# Altium PCB Adapter_USB3_to_M2_E.PcbDoc (part 1 of 2)
Units mm, origin at the board's own origin, x right, y up, seen from the top; angles counter-clockwise.
Board outline 62 x 34 mm, 4 copper layers (01_Top, 02_GND, 03_GND, 04_Bottom), stack 1.002 mm thick; 60 components, 56 nets, 281 pads, 608 vias.
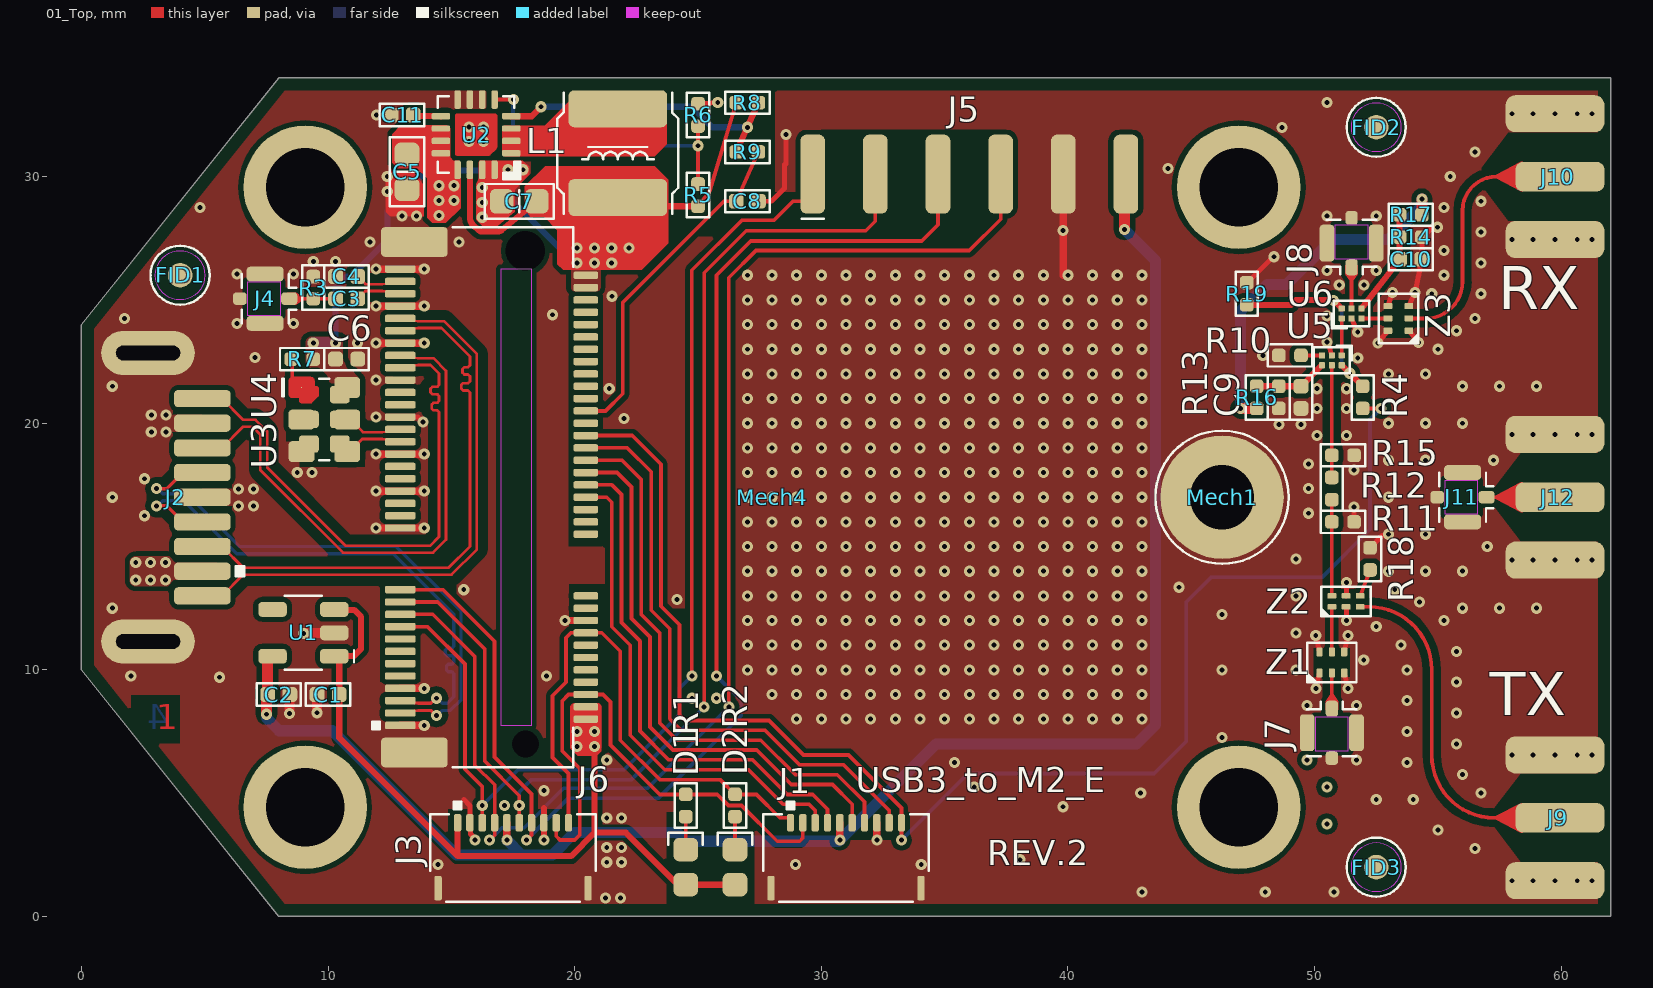
[diagram p0: 01_Top view]
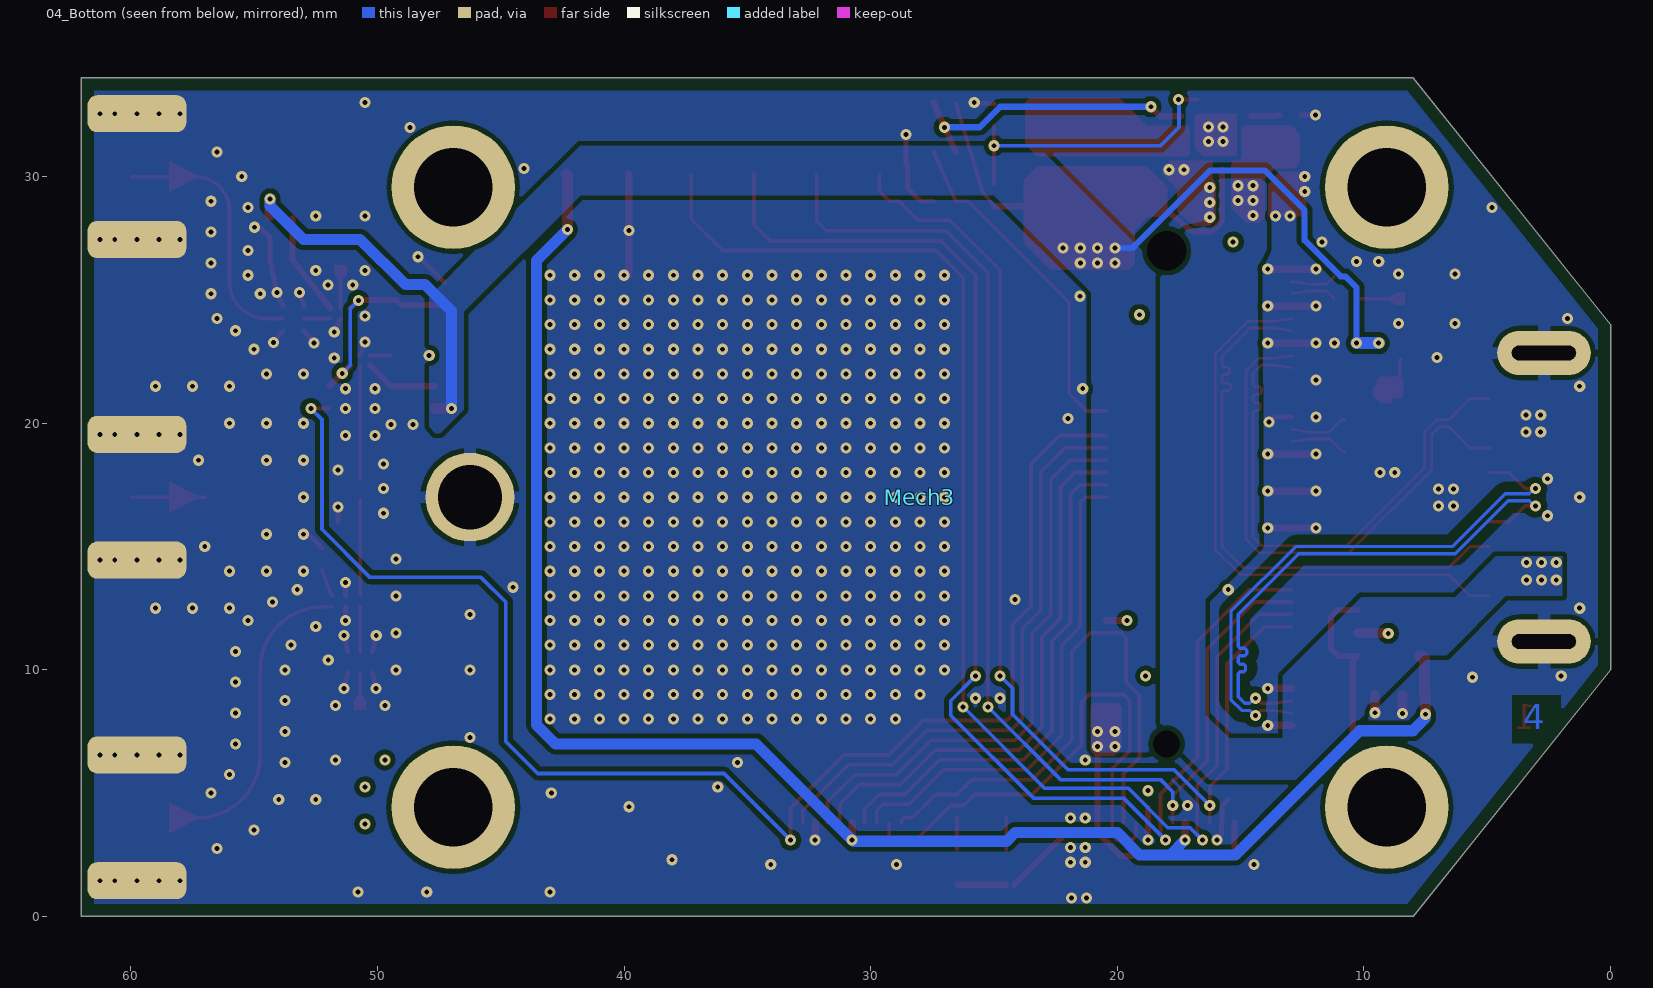
[diagram p1: 04_Bottom view, seen from below]
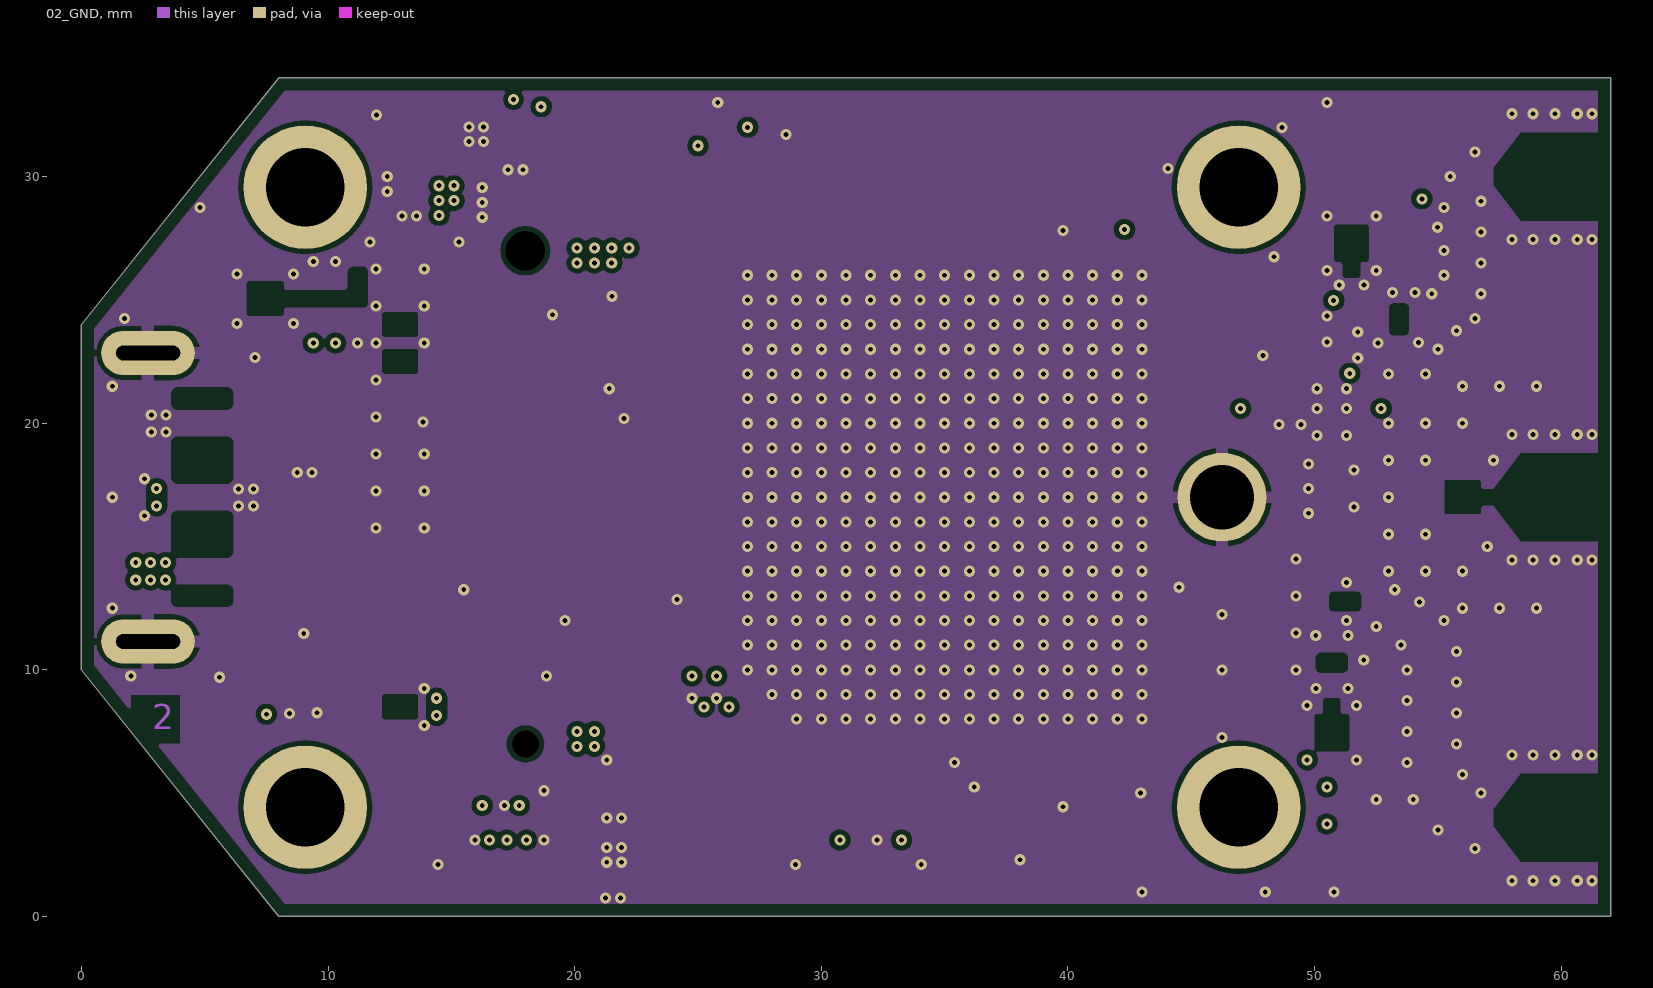
[diagram p2: 02_GND]
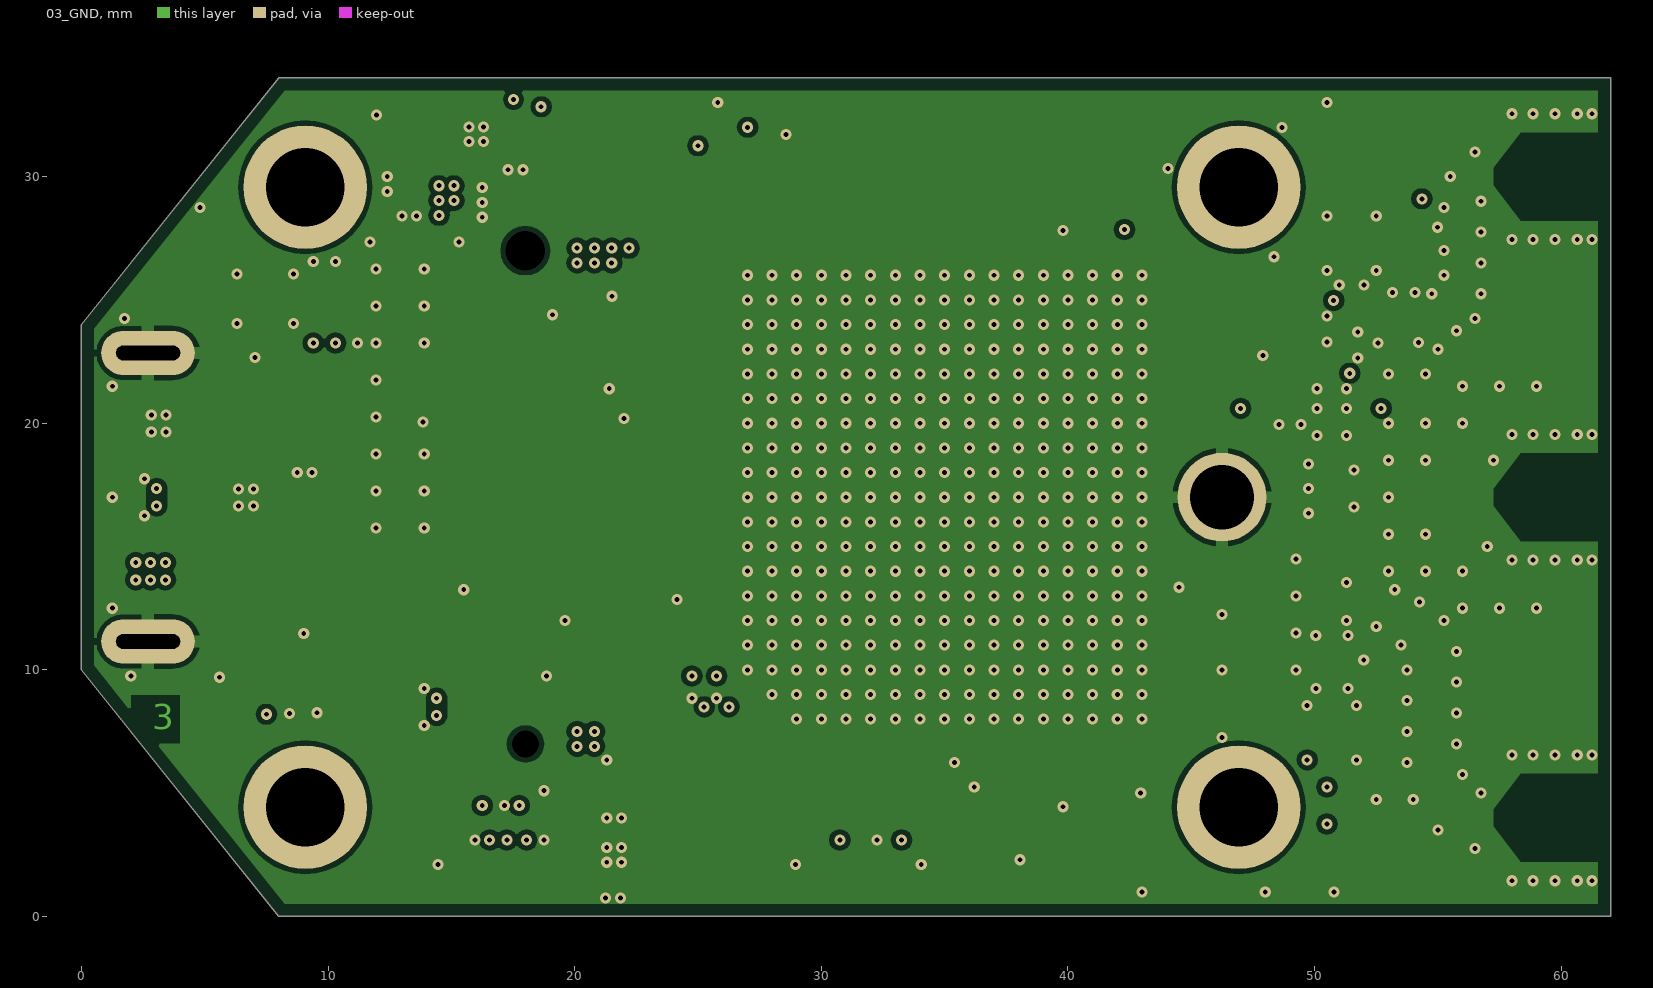
[diagram p3: 03_GND]

## Layer stack, top to bottom
Top Solder: solder mask 0.01, Solder Resist, Dk 4
01_Top: signal copper 0.038
PP_01_S1000HB 3313 (57): prepreg 0.1, PP-006, Dk 4.41
02_GND: signal copper 0.018
PP_01_S1000HB 7628 (46): prepreg 0.195, PP-006, Dk 4.66
C_01_S1000H 2x7628+2116 (18): core 0.3, FR-4, Dk 4.69
PP_02_S1000HB 7628 (46): prepreg 0.195, PP-006, Dk 4.66
03_GND: signal copper 0.018
PP_02_S1000HB 3313 (57): prepreg 0.1, PP-006, Dk 4.41
04_Bottom: signal copper 0.038
Bottom Solder: solder mask 0.01, Solder Resist, Dk 4

## Board outline
0,10 8,0 62,0 62,34 8,34 0,24

## Design rules (kind name [scope] priority, off if disabled: settings)
BoardOutlineClearance BOC_SMA [InComponent('J9') or InComponent('J10')      or InComponent('J12')] p1: gap=0.25 ignorepadtopadclearanceinfootprint=FALSE except(0: Arc-SplitContinuation Track-SplitContinuation SMDPad-SplitContinuation THPad-SplitContinuation Via-SplitContinuation Fill-SplitContinuation Poly-SplitContinuation Region-SplitContinuation Text-SplitContinuation)
BoardOutlineClearance BOC_Default [All] p2: gap=0.5 ignorepadtopadclearanceinfootprint=FALSE except(0: Arc-SplitContinuation Track-SplitContinuation SMDPad-SplitContinuation THPad-SplitContinuation Via-SplitContinuation Fill-SplitContinuation Poly-SplitContinuation Region-SplitContinuation Text-SplitContinuation)
Clearance C_KP [InComponentClass('Conn_KP')             or InComponent('J11') vs IsKeepOut] p1: gap=0 ignorepadtopadclearanceinfootprint=FALSE
Clearance C_50_Ohm_CP [InNetClass('50_Ohm_CP')] p2: gap=0.1 ignorepadtopadclearanceinfootprint=FALSE except(0: Arc-Hole Track-Hole SMDPad-Hole THPad-Hole Via-Hole Fill-Hole Poly-Hole Region-Hole Text-Hole; 0.2: Arc-Fill Arc-Region Track-Fill Track-Region SMDPad-Fill SMDPad-Poly SMDPad-Region THPad-Fill THPad-Poly THPad-Region Via-Fill Via-Poly Via-Region Fill-Fill Fill-Poly Fill-Region Poly-Poly Poly-Region Region-Region; 0.3: Arc-Poly Track-Poly)
Clearance C_50_Ohm_CP_1 [InComponent('J11')           or InComponent('J12')] p3: gap=0 ignorepadtopadclearanceinfootprint=FALSE
Clearance C_FID [IsKeepOut vs InPadClass('FID')] p4: gap=0 ignorepadtopadclearanceinfootprint=FALSE
Clearance C_Diff [InDifferentialPairClass('90_Ohm') or InDifferentialPairClass('100_Ohm')] p5: gap=0.1 ignorepadtopadclearanceinfootprint=FALSE except(0: Arc-Hole Track-Hole SMDPad-Hole THPad-Hole Via-Hole Fill-Hole Poly-Hole Region-Hole Text-Hole; 0.2: SMDPad-Fill SMDPad-Poly SMDPad-Region THPad-Fill THPad-Poly THPad-Region Via-Fill Via-Poly Via-Region Fill-Fill Fill-Poly Fill-Region Poly-Poly Poly-Region Region-Region; 0.4: Arc-Fill Arc-Poly Arc-Region Track-Fill Track-Poly Track-Region)
Clearance C_Default [All] p6: gap=0.1 ignorepadtopadclearanceinfootprint=FALSE except(0: Arc-Hole Track-Hole SMDPad-Hole THPad-Hole Via-Hole Fill-Hole Poly-Hole Region-Hole Text-Hole; 0.2: Arc-Fill Arc-Poly Track-Fill Track-Poly SMDPad-Fill SMDPad-Poly THPad-Fill THPad-Poly Via-Fill Via-Poly Fill-Fill Fill-Poly Poly-Poly Poly-Region)
ComponentClearance [All] p1: gap=0 collisioncheckmode=3 verticalgap=0 showdistances=FALSE
DiffPairsRouting DP_90_Ohm [InDifferentialPairClass('90_Ohm')] p1: maxlimit=0.155 minlimit=0.155 mostfreqgap=0.155 toplayer_minwidth=0.135 toplayer_maxwidth=0.135 toplayer_prefwidth=0.135 midlayer1_minwidth=0.135 midlayer1_maxwidth=0.135 midlayer1_prefwidth=0.135 midlayer2_minwidth=0.135 midlayer2_maxwidth=0.135 midlayer2_prefwidth=0.135 bottomlayer_minwidth=0.135 bottomlayer_maxwidth=0.135 bottomlayer_prefwidth=0.135 maxuncoupledlength=1
DiffPairsRouting DP_100_Ohm [InDifferentialPairClass('100_Ohm')] p2: maxlimit=0.17 minlimit=0.17 mostfreqgap=0.17 toplayer_minwidth=0.11 toplayer_maxwidth=0.11 toplayer_prefwidth=0.11 midlayer1_minwidth=0.11 midlayer1_maxwidth=0.11 midlayer1_prefwidth=0.11 midlayer2_minwidth=0.11 midlayer2_maxwidth=0.11 midlayer2_prefwidth=0.11 bottomlayer_minwidth=0.11 bottomlayer_maxwidth=0.11 bottomlayer_prefwidth=0.11 maxuncoupledlength=1
HoleSize [All] p1: absolutevalues=TRUE maxlimit=5 minlimit=0.1 maxpercent=80.000 minpercent=20.000
HoleToHoleClearance [All] p1: gap=0.2 allowstackedmicrovias=TRUE
MatchedLengths [All] p1: tolerance=0.1 checknetsindiffpair=TRUE checkdiffpairvsdiffpair=FALSE checkxsignals=FALSE checkothers=FALSE
MinimumSolderMaskSliver [All] p1: minsoldermaskwidth=0.1
PolygonConnect [(ObjectKind = 'Poly') And (Name = 'Direct')] p1: connectstyle=Direct reliefconductorwidth=0.254 reliefentries=4 polygonreliefangle="90 Angle" airgapwidth=0.254
PolygonConnect PC_Polygon_Direct [InNamedPolygon('Direct')   or InComponent('J12')] p2: connectstyle=Direct reliefconductorwidth=0.254 reliefentries=4 polygonreliefangle="90 Angle" airgapwidth=0.254
PolygonConnect PC_Default [All] p3: thpad.connectstyle=Relief thpad.reliefconductorwidth=0.5 thpad.reliefentries=4 thpad.polygonreliefangle="90 Angle" thpad.airgapwidth=0.2 smdpad.connectstyle=Relief smdpad.reliefconductorwidth=0.25 smdpad.reliefentries=4 smdpad.polygonreliefangle="90 Angle" smdpad.airgapwidth=0.15 via.connectstyle=Direct via.reliefconductorwidth=0.254 via.reliefentries=4 via.polygonreliefangle="90 Angle" via.airgapwidth=0.254
RoutingVias [All] p1: holewidth=0.2 width=0.45 viastyle="Through Hole" minholewidth=0.2 minwidth=0.4 maxholewidth=0.3 maxwidth=0.6
ShortCircuit ShortCircuit_OSC_PIN2 [(ObjectKind = 'Pad') And (Component = 'U3') And (Name = 'U3-2') vs (ObjectKind = 'Pad') And (Component = 'U4') And (Name = 'U4-2')] p1: allowed=TRUE
ShortCircuit ShortCircuit_OSC_PIN2_1 [(ObjectKind = 'Pad') And (Component = 'U2') vs InNet('GND')] p2: allowed=TRUE
ShortCircuit [All] p3: allowed=FALSE
SilkToSilkClearance [All] p1: silktosilkclearance=0.1
SilkToSolderMaskClearance [IsPad] p1: minsilkscreentomaskgap=0.05 clearancetoexposedcopper=TRUE
SolderMaskExpansion [All] p1: expansion=0.05 istentingtop=FALSE
Width W_50_Ohm_CP [InNetClass('50_Ohm_CP')] p1: maxlimit=0.15 minlimit=0.15 preferedwidth=0.15
Width [All] p2: maxlimit=0.5 minlimit=0.1 preferedwidth=0.15
22 further rules are at their usual default settings.

## Classes and differential pairs
pad class FID: FID1-FID FID2-FID FID3-FID
component class Conn_KP: J1 J3 J4 J6 J7 J8 J10 J11 J12
differential pair class 90_Ohm: USB_D
differential pair class 100_Ohm: PCI_REF_CLK PCI_RX1 PCI_TX1 REFCLK1
net class 50_Ohm_CP: NetJ7_1 NetJ9_1 NetJ10_1 NetJ11_1 NetR10_1 NetR11_1 NetR12_1 NetU5_1 REFCLK1
differential pair REFCLK1: +REFCLK1_P -REFCLK1_N
differential pair PCI_TX1: +PCI_TX1_P -PCI_TX1_N
differential pair PCI_RX1: +PCI_RX1_P -PCI_RX1_N
differential pair PCI_REF_CLK: +PCI_REF_CLK_P -PCI_REF_CLK_N
differential pair USB_D: +USB_D_P -USB_D_N

## Components (designator, comment, footprint, x,y, rotation, side; value= is the part's Value field where it differs from the comment)
C1 "GRM155R71E104KE14D" CAPC100X50X55L25N 10,9 r0 top value=0.1u
C2 "GRM155R71E104KE14D" CAPC100X50X55L25N 8,9 r180 top value=0.1u
C3 "GRM155R71E104KE14D" CAPC100X50X55L25N 10.75,25.05 r0 top value=0.1u
C4 "GRM155R71E104KE14D" CAPC100X50X55L25N 10.75,25.95 r0 top value=0.1u
C5 "Cap-0603-X5R-6.3V-47u-20%" CAPC160X80X100L40N 13.2,30.195 r270 top value=47u
C6 "GRM155R71E104KE14D" CAPC100X50X55L25N 10.75,22.6 r180 top value=0.1u
C7 "Cap-0603-X5R-6.3V-47u-20%" CAPC160X80X100L40N 17.75,29 r180 top value=47u
C8 "GRM155R71E104KE14D" CAPC100X50X55L25N 27,29 r180 top value=0.1u
C9 "GRM155R71E104KE14D" CAPC100X50X55L25N 49.45,21.05 r270 top value=0.1u
C10 "GRM155R71E104KE14D" CAPC100X50X55L25N 53.9,26.65 r0 top value=0.1u
C11 "GRM155R71E104KE14D" CAPC100X50X55L25N 13,32.5 r0 top value=0.1u
D1 "LTST-C190KGKT" LEDC160X80X80L40N-Green 24.5,2 r270 top value=Green
D2 "LTST-C190KGKT" LEDC160X80X80L40N-Green 26.5,2 r270 top value=Green
FID1 "Fiducial" Fiducial_2D 4,26 r90 top
FID2 "Fiducial" Fiducial_2D 52.5,32 r90 top
FID3 "Fiducial" Fiducial_2D 52.5,2 r90 top
J1 "5034801000" MOLEX_5034801000 31,0.5 r0 top
J2 "GSB416445CHR" AMPHENOL_GSB416445CHR 0,17 r270 top locked
J3 "5034801000" MOLEX_5034801000 17.5,0.5 r0 top
J4 "CONMHF4-SMD-G-T" LINX_CONMHF4-SMD-G-T 7.45,25.05 r90 top
J5 "TSM-106-01-T-SH" SAMTEC_TSM-106-01-T-SH 36,41.8 r0 top locked
J6 "SM3ZS067U215AER1500" JAE_SM3ZS067U215AER1500 18,17 r90 top locked
J7 "CONMHF4-SMD-G-T" LINX_CONMHF4-SMD-G-T 50.7,7.45 r180 top
J8 "CONMHF4-SMD-G-T" LINX_CONMHF4-SMD-G-T 51.5,27.3 r0 top
J9 "CON-SMA-EDGE-S" SSE_S01-SJEDM-11BS00 62,4 r90 top
J10 "CON-SMA-EDGE-S" SSE_S01-SJEDM-11BS00 62,30 r90 top
J11 "CONMHF4-SMD-G-T" LINX_CONMHF4-SMD-G-T 56,17 r90 top
J12 "CON-SMA-EDGE-S" SSE_S01-SJEDM-11BS00 62,17 r90 top
L1 "NRS5020T2R2NMGJ" IND_TAIYO_NRS5020 21.75,30.95 r270 top value=2.2u
Mech1 "SM3ZS067U215-NUT1-R2500" JAE_SM3ZS067U215-NUT1 46.25,17 r90 top
Mech3 "960-31-33-F-AB-0" WAKEFIELD_960-31-33-F-AB-0 28,17 r270 bottom locked
Mech4 "960-31-33-F-AB-0" WAKEFIELD_960-31-33-F-AB-0 28,17 r90 top locked
R1 "Res-0402-1K-5%" RESC100X50X40L20N 24.5,4.5 r90 top value=1K
R2 "Res-0402-1K-5%" RESC100X50X40L20N 26.5,4.5 r90 top value=1K
R3 "Res-0402-51-5%" RESC100X50X40L20N 9.4,25.5 r90 top value=50
R4 "Res-0402-51-5%" RESC100X50X40L20N 51.95,21.05 r90 top value=50
R5 "Res-0402-5.1K-1%" RESC100X50X40L20N 25,29.25 r270 top value=5.1K
R6 "Res-0402-1.5K-1%" RESC100X50X40L20N 25,32.5 r270 top value=1.5K
R7 "Res-0402-1K-5%" RESC100X50X40L20N 8.95,22.6 r0 top value=1K
R8 "Res-0402-5.1K-1%" RESC100X50X40L20N 27,33 r180 top value=5.1K
R9 "Res-0402-1K-5%" RESC100X50X40L20N 27,31 r180 top value=1K
R10 "Res-0402-51-5%" RESC100X50X40L20N 49,22.75 r180 top value=50
R11 "Res-0402-68-5%" RESC100X50X40L20N 51.15,16 r0 top value=68
R12 "Res-0402-150-5%" RESC100X50X40L20N 50.7,17.35 r270 top value=150
R13 "Res-0402-5.1K-1%" RESC100X50X40L20N 48.55,21.05 r90 top value=5.1K
R14 "Res-0402-5.1K-1%" RESC100X50X40L20N 53.9,27.55 r180 top value=5.1K
R15 "Res-0402-68-5%" RESC100X50X40L20N 51.15,18.7 r0 top value=68
R16 "Res-0402-1K-5%" RESC100X50X40L20N 47.65,21.05 r270 top value=1K
R17 "Res-0402-1K-5%" RESC100X50X40L20N 53.9,28.45 r0 top value=1K
R18 "Res-0402-51-5%" RESC100X50X40L20N 52.25,14.5 r270 top value=50
R19 "Res-0402-5.1K-1%" RESC100X50X40L20N 47.25,25.25 r270 top value=5.1K
U1 "TPS7A2018PDBVR" SOT23-5P95_280X145L45X40N 9,11.5 r180 top
U2 "TPS62130RGTR" QFN17P50_300X300X100L40X24T170N 16,31.7 r180 top
U3 "AK2ADDF1-100.000T" ABRACON_AK2A 9.85,20.157 r0 top value=100MHz
U4 "SG3225VAN 125.000000M-KEGA3" EPCOS_SG3225VAN 9.85,20.15 r0 top value=125MHz
U5 "BGS12P2L6E6327XTSA1" PSON6P40_110X70X32L20X20N 50.7,22.55 r270 top
U6 "BGS12P2L6E6327XTSA1" PSON6P40_110X70X32L20X20N 51.5,24.45 r90 top
Z1 "RFLPF16082G5WM0T29" WALSIN_RFLPF16082G5WM0T29 50.7,10.3 r90 top
Z2 "HHM22152A2" TDK_HHM22152A2 51.275,12.778 r90 top
Z3 "RFLPF16082G5WM0T29" WALSIN_RFLPF16082G5WM0T29 53.4,24.25 r180 top

## Footprints (in the part's own frame and the unit in brackets; to place one, negate y for a bottom-side part, rotate by r counter-clockwise, add the part's x,y. Pads: shape width x height; smd on the part's side, far side on the other; paste and mask are expansions set on the pad)
ABRACON_AK2A [mm]
  round 0.025 smd paste-0.025 mask+0.05: 1(-0.625,1)
  rrect35% 0.8x0.7 smd paste-0.025 mask+0.05: 2(-0.625,0) 3(-0.625,-1) 4(0.625,-1) 5(0.625,0) 6(0.625,1)
  01_Top region: -0.903,0.65 -0.949,0.659 -0.989,0.686 -1.016,0.726 -1.025,0.772 -1.025,0.772 -1.025,1.228 -1.016,1.274 -0.989,1.314 -0.949,1.341 -0.903,1.35 -0.903,1.35 -0.347,1.35 -0.301,1.341 -0.261,1.314 -0.234,1.274 -0.225,1.228 -0.225,1.228 -0.225,1 -0.234,0.954 -0.26,0.915 -0.26,0.915 -0.49,0.685 -0.529,0.659 -0.575,0.65 -0.575,0.65
  body extent -1,-1.25 1,1.25, height 1.01
AMPHENOL_GSB416445CHR [mm]
  rrect50% 0.7x2.3 smd paste-0.025 mask+0.05: 1(3,4.9) 2(1,4.9) 3(-1,4.9) 4(-3,4.9) 5(-4,4.9) 6(-2,4.9) 7(0,4.9) 8(2,4.9) 9(4,4.9)
  oval 1.8x3.8 hole 0.6 slot 2.6 at 90 deg paste-999 mask+0.05: SH(-5.85,2.7) SH(5.85,2.7)
  silkscreen extent 2.8,6.25 3.2,6.6, body extent -6,-15.07 6,5.58, height 1.88
CAPC100X50X55L25N [mm] "Capacitor, Chip 0402; 1.00 mm L X 0.50 mm W X 0.55 mm H body"
  rrect50% 0.6x0.6 smd paste-0.025 mask+0.05: 1(-0.45,0) 2(0.45,0)
  silkscreen extent -0.9,-0.45 0.9,0.45, body extent -0.5,-0.25 0.5,0.25, height 0.55
CAPC160X80X100L40N [mm] "Capacitor, Chip 0603; 1.60 mm L X 0.80 mm W X 1.00 mm H body"
  rrect50% 0.95x1 smd paste-0.025 mask+0.05: 1(-0.71,0) 2(0.71,0)
  silkscreen extent -1.4,-0.7 1.4,0.7, body extent -0.8,-0.4 0.8,0.4, height 1
EPCOS_SG3225VAN [mm]
  round 0.025 smd paste-0.025 mask+0.05: 1(-0.925,1.3)
  rrect35% 1.05x0.8 smd paste-0.025 mask+0.05: 2(-0.925,0) 5(0.925,0)
  rrect35% 1.05x0.85 smd paste-0.025 mask+0.05: 3(-0.925,-1.3) 4(0.925,-1.3) 6(0.925,1.3)
  01_Top region: -1.301,0.875 -1.358,0.886 -1.406,0.919 -1.439,0.967 -1.45,1.024 -1.45,1.024 -1.45,1.576 -1.439,1.633 -1.406,1.681 -1.358,1.714 -1.301,1.725 -1.301,1.725 -0.549,1.725 -0.492,1.714 -0.444,1.681 -0.411,1.633 -0.4,1.576 -0.4,1.576 -0.4,1.321 -0.422,1.209 -0.485,1.115 -0.485,1.115 -0.629,0.971 -0.735,0.9 -0.86,0.875 -0.86,0.875
  silkscreen extent -1.7,-1.65 0.2,1.65, body extent -1.27,-1.62 1.27,1.62, height 1.2
Fiducial_2D [mm]
  round 1 smd paste-99 mask+0.5: FID(0,0)
  01_Top keep-out region: 1,0 0.924,-0.383 0.707,-0.707 0.383,-0.924 0,-1 0,-1 -0.383,-0.924 -0.707,-0.707 -0.924,-0.383 -1,0 -1,0 -0.924,0.383 -0.707,0.707 -0.383,0.924 0,1 0,1 0.383,0.924 0.707,0.707 0.924,0.383 1,0
  silkscreen extent -1.2,-1.2 1.2,1.2
IND_TAIYO_NRS5020 [mm]
  rrect30% 1.5x4 smd paste-0.025 mask+0.05: 1(-1.8,0) 2(1.8,0)
  silkscreen extent -2.45,-2.45 2.45,2.45, body extent -2.45,-2.45 2.45,2.45, height 2
JAE_SM3ZS067U215-NUT1 [mm]
  round 5 / inner round 3.6 / far side round 3.6 hole 2.6 paste-99 mask+0.05: SH(0,0)
  silkscreen extent -2.7,-2.7 2.7,2.7, body extent -2.24,-2.25 2.24,2.25, height 1
JAE_SM3ZS067U215AER1500 [mm]
  rrect50% 0.3x1.25 smd paste-0.025 mask+0.05: 1(-9.25,5.075) 3(-8.75,5.075) 5(-8.25,5.075) 7(-7.75,5.075) 9(-7.25,5.075) 11(-6.75,5.075) 13(-6.25,5.075) 15(-5.75,5.075) 17(-5.25,5.075) 19(-4.75,5.075) 21(-4.25,5.075) 23(-3.75,5.075) 33(-1.25,5.075) 35(-0.75,5.075) 37(-0.25,5.075) 39(0.25,5.075) 41(0.75,5.075) 43(1.25,5.075) 45(1.75,5.075) 47(2.25,5.075) 49(2.75,5.075) 51(3.25,5.075) 53(3.75,5.075) 55(4.25,5.075) 57(4.75,5.075) 59(5.25,5.075) 61(5.75,5.075) 63(6.25,5.075) 65(6.75,5.075) 67(7.25,5.075) 69(7.75,5.075) 71(8.25,5.075) 73(8.75,5.075) 75(9.25,5.075)
  rrect50% 0.3x1 smd paste-0.025 mask+0.05: 2(-9,-2.45) 4(-8.5,-2.45) 6(-8,-2.45) 8(-7.5,-2.45) 10(-7,-2.45) 12(-6.5,-2.45) 14(-6,-2.45) 16(-5.5,-2.45) 18(-5,-2.45) 20(-4.5,-2.45) 22(-4,-2.45) 32(-1.5,-2.45) 34(-1,-2.45) 36(-0.5,-2.45) 38(0,-2.45) 40(0.5,-2.45) 42(1,-2.45) 44(1.5,-2.45) 46(2,-2.45) 48(2.5,-2.45) 50(3,-2.45) 52(3.5,-2.45) 54(4,-2.45) 56(4.5,-2.45) 58(5,-2.45) 60(5.5,-2.45) 62(6,-2.45) 64(6.5,-2.45) 66(7,-2.45) 68(7.5,-2.45) 70(8,-2.45) 72(8.5,-2.45) 74(9,-2.45)
  round 0 hole 1.1 unplated paste-1 mask+0.1: MH(-10,0)
  round 0 hole 1.6 unplated paste-1 mask+0.1: MH(10,0)
  rrect25% 1.2x2.7 smd paste-0.025 mask+0.05: SH(-10.35,4.5) SH(10.35,4.5)
  01_Top keep-out region: -9.25,-0.25 9.25,-0.25 9.25,1 -9.25,1
  silkscreen extent -10.95,-1.95 10.95,6.2, body extent -10.95,-2.45 10.95,5.15, height 2.13
LEDC160X80X80L40N-Green [mm] "Led, Chip 0603; 1.60 mm L X 0.80 mm W X 0.80 mm H body"
  rrect50% 0.95x1 smd paste-0.025 mask+0.05: A(0.71,0) C(-0.71,0)
  silkscreen extent -1.4,-0.7 -0.9,0.7, body extent -0.85,-0.45 0.85,0.45, height 0.9
LINX_CONMHF4-SMD-G-T [mm]
  rrect50% 0.5x0.65 smd paste-0.025 mask+0.05: 1(0,-0.975)
  rrect50% 0.6x1.5 smd paste-0.025 mask+0.05: SH(-1,0) SH(1,0)
  rrect50% 0.5x0.55 smd paste-0.025 mask+0.05: SH(0,1.025)
  01_Top keep-out region: -0.675,-0.625 0.675,-0.625 0.675,0.725 -0.675,0.725
  silkscreen extent -1,-1.25 1,0.95, body extent -1,-1 1,1, height 0.86
MOLEX_5034801000 [mm]
  rrect50% 0.3x0.7 smd: 1(-2.25,3.3) 2(-1.75,3.3) 3(-1.25,3.3) 4(-0.75,3.3) 5(-0.25,3.3) 6(0.25,3.3) 7(0.75,3.3) 8(1.25,3.3) 9(1.75,3.3) 10(2.25,3.3)
  rrect50% 0.3x1 smd paste-0.025 mask+0.05: SH(-3.04,0.65) SH(3.04,0.65)
  silkscreen extent -3.35,0.1 3.35,4.15, body extent -2.85,0 2.85,3.6, height 1.85
PSON6P40_110X70X32L20X20N [mm] "Pullback Small Outline No-Lead (PSON), 0.40 mm pitch; 6 pin, 1.10 mm L X 0.70 mm W X 0.32 mm H body"
  rrect25% 0.25x0.25 smd paste+0 mask-99: 1(-0.2,0.4) 2(-0.2,0) 3(-0.2,-0.4) 4(0.2,-0.4) 5(0.2,0) 6(0.2,0.4)
  silkscreen extent -0.6,-0.73 0.53,0.8, body extent -0.35,-0.55 0.35,0.55, height 0.32
QFN17P50_300X300X100L40X24T170N [mm] "Quad Flat No-Lead (QFN with Tab), 0.50 mm pitch; square, 4 pin X 4 pin, 3.00 mm L X 3.00 mm W X 1.00 mm H body"
  rrect50% 0.75x0.26 smd paste-0.025 mask+0.05: 1(-1.425,0.75) 2(-1.425,0.25) 3(-1.425,-0.25) 4(-1.425,-0.75) 9(1.425,-0.75) 10(1.425,-0.25) 11(1.425,0.25) 12(1.425,0.75)
  rrect50% 0.26x0.75 smd paste-0.025 mask+0.05: 5(-0.75,-1.425) 6(-0.25,-1.425) 7(0.25,-1.425) 8(0.75,-1.425) 13(0.75,1.425) 14(0.25,1.425) 15(-0.25,1.425) 16(-0.75,1.425)
  round 0.025 smd paste-99 mask+0.05: EP(0,0)
  01_Top region: -0.85,-0.765 -0.85,0.5 -0.841,0.546 -0.815,0.585 -0.815,0.585 -0.585,0.815 -0.546,0.841 -0.5,0.85 -0.5,0.85 0.765,0.85 0.798,0.844 0.825,0.825 0.844,0.798 0.85,0.765 0.85,0.765 0.85,-0.765 0.844,-0.798 0.825,-0.825 0.798,-0.844 0.765,-0.85 0.765,-0.85 -0.765,-0.85 -0.798,-0.844 -0.825,-0.825 -0.844,-0.798 -0.85,-0.765
  silkscreen extent -1.8,-1.55 1.55,1.8, body extent -1.55,-1.55 1.55,1.55, height 1
RESC100X50X40L20N [mm] "Resistor, Chip 0402; 1.00 mm L X 0.50 mm W X 0.40 mm H body"
  rrect50% 0.55x0.55 smd paste-0.025 mask+0.05: 1(-0.45,0) 2(0.45,0)
  silkscreen extent -0.9,-0.45 0.9,0.45, body extent -0.5,-0.25 0.5,0.25, height 0.4
SAMTEC_TSM-106-01-T-SH [mm]
  rrect50% 1x3.2 smd paste-0.025 mask+0.05: 1(-6.35,-11.7) 2(-3.81,-11.7) 3(-1.27,-11.7) 4(1.27,-11.7) 5(3.81,-11.7) 6(6.35,-11.7)
  silkscreen extent -6.8,-13.5 -5.9,-13.5, body extent -7.62,-13.2 7.62,-0.01, height 3.05
SOT23-5P95_280X145L45X40N [mm] "Small Outline Transistor (SOT23), 0.95 mm pitch; 5 pin, 2.90 mm L X 1.60 mm W X 1.45 mm H body"
  rrect50% 1.15x0.6 smd paste-0.025 mask+0.05: 1(-1.25,0.95) 2(-1.25,0) 3(-1.25,-0.95) 4(1.25,-0.95) 5(1.25,0.95)
  silkscreen extent -2.05,-1.5 0.75,1.5, body extent -1.4,-1.45 1.4,1.45, height 1.45
SSE_S01-SJEDM-11BS00 [mm]
  rrect50% 1.2x3.6 smd paste-0.025 mask+0.05: 1(0,2.05)
  rrect50% 1.5x4 smd paste-0.025 mask+0.05: SH(-2.55,2.25) SH(2.55,2.25)
  rrect50% 1.5x4 smd far side paste-0.025 mask+0.05: SH(-2.55,2.25) SH(2.55,2.25)
  body extent -3.25,-9.7 3.25,3.83, height 3.74
TDK_HHM22152A2 [mm]
  rrect25% 0.225x0.35 smd paste-0.025 mask+0.05: 1(-0.222,0.57) 2(-0.222,0) 3(-0.222,-0.57) 4(0.222,-0.57) 5(0.222,0) 6(0.222,0.57)
  silkscreen extent -0.6,-1 0.6,1, body extent -0.4,-0.8 0.4,0.8, height 0.61
WAKEFIELD_960-31-33-F-AB-0 [mm]
  round 5 hole 3.2 unplated paste-99 mask+0.1: MH(-12.57,-18.925) MH(12.57,18.925)
  body extent -16,-15.75 16,15.75, height 10
WALSIN_RFLPF16082G5WM0T29 [mm]
  rrect25% 0.35x0.25 smd paste+0 mask+0.05: 1(-0.425,0) 2(-0.425,-0.5) 2(-0.425,0.5) 2(0.425,-0.5) 2(0.425,0.5) 3(0.425,0)
  silkscreen extent -0.8,-1 0.8,1, body extent -0.4,-0.8 0.4,0.8, height 0.51

## Part data
C1 C2 C3 C4 C11: "Capacitor, 0.1u, 25V, 10%, X7R, 0402", Manufacturer="Murata Electronics"
C5 C7: "Capacitor, 47u, 6.3V, 20%, X5R, 0603"
C6 C8 C9 C10: "Capacitor, 0.1u, 25V, 10%, X7R, 0402"
D1 D2: "LED Diode, Green, -30/+85, SMD0603", Manufacturer="Lite-On Inc."
J1 J3: "Conn, FFC, 10 pins, 0.5mm, -40/+85, Right, SMD", Manufacturer=Molex
J2: "Conn, USB3.2 type A, -30/+85, Right, Trough Hole", Manufacturer="Amphenol ICC"
J4 J7 J8 J11: "Conn, IPEX MHF4, Male Pin, 50 Ohm, -65/+165, SMD", Manufacturer="Linx Technologies Inc."
J5: "Conn, Header 6x1, 2.54mm,Right, Trough Hole", Manufacturer=Samtec
J6: "Conn M.2, Key E, -40/+80, SMD", Manufacturer=JAE
J9 J10 J12: library part S01-SJEDM-11BS00, "Conn, Female Pin, 50 Ohm, SMA", Manufacturer="RF Solutions"
L1: "Inductor, 2.2u, 2,9A, 42mOhm, +/-30%, -25/+125, SMD", Manufacturer="Taiyo Yuden"
Mech1: "Mech, standoff, M2, 0.35 mm", Manufacturer=JAE
Mech3 Mech4: "Mech, Heatsink, 31x33 mm, front, push pins", Manufacturer=Wakefield
R1 R2 R7 R9 R16 R17: "Resistor, 1K, 0.063W, 5%, 0402"
R3 R4 R10 R18: library part Res-0402-50-5%, "Resistor, 50, 0.063W, 5%, 0402"
R5 R8 R13 R14 R19: "Resistor, 5.1K, 0.063W, 1%, 0402"
R6: "Resistor, 1.5K, 0.063W, 1%, 0402"
R11 R15: "Resistor, 68, 0.063W, 5%, 0402"
R12: "Resistor, 150, 0.063W, 5%, 0402"
U1: "IC, VolReg, DC/DC, 2.2/5.5V, 1.8V, 0.25A, -40/+125, 4-X2SON", Manufacturer="Texas Instruments"
U2: "IC, DC/DC, Step-Down, 3-17/0.9-6V, 3A, -40/+85, QFN-16", Manufacturer="Texas Instruments"
U3: "Oscillators, 100MHz, 2.375/3.63V, 25ppm, -40/+85, SMD", Manufacturer=ABRACON
U4: "Oscillators, 125MHz, 2.5/3.3V, 30ppm, -40/+85, SMD", Manufacturer="Diodes Incorporated"
U5 U6: "IC, RF switch, SPDT, 50Ohm -40/+85, TSLP-6-4", Manufacturer="Infineon Technologies"
Z1 Z3: "Filter, 50Ohm, 2300-2690MHz, SMD", Manufacturer="Walsin Tech Corp"
Z2: "Signal Coupler, 450-3800MHz, -40/+105, SMD", Manufacturer=TDK

## Via types
v1: diameter 0.45, hole 0.2, 01_Top to 04_Bottom, tented both sides, 608 vias

## Nets (pads, with @x,y where several pads share a name; then routed paths per layer and width w, separated by ;. In a path a pad name is that pad's centre, name@x,y a point inside that pad or via, vN(x,y) a via of type N, cw(c..) or ccw(c..) an arc to the next point about the centre after c; other vN are vias at no path point)
CLK_REQUEST#: J6.53
GND: C1.1 C2.1 C4.1 C5.2 C6.1 C7.2 C8.1 C9.2 C10.2 C11.1 J1.8 J1.SH J2.4 J2.7 J2.SH J3.2 J3.8 J3.SH J4.SH J5.5 J6.1 J6.7 J6.18 J6.33 J6.39 J6.45 J6.51 J6.57 J6.63 J6.69 J6.75 J6.SH J7.SH J8.SH J9.SH J10.SH J11.SH J12.SH Mech1.SH R3.2 R6.1 R10.2 R11.2 R13.1 R14.1 R15.2 R18.1 R19.1 U1.2 U2.6 U2.7 U2.8 U2.15 U2.16 U2.EP U3.3 U4.3 U5.2 U6.2 Z1.2 Z2.2 Z2.5 Z3.2 | length 44.8
  01_Top w0.2: v1(8.432,8.238) v1@8.441,8.247 ; C2.1@8.441,8.991 C2.1@8.45,9 ; v1(9.014,11.482) v1@9.023,11.491 ; U1.2@10.241,11.491 U1.2@10.25,11.5 ; v1(11.97,32.496) v1(11.97,32.496) 12.548,32.498 C11.1@12.55,32.5 ; J6.51@12.925,20.25 13.65,20.25 v1(13.85,20.05) ; 15.5,4.75 15.75,4.5 J3.2@15.75,3.8 15.774,3.776 15.774,3.344 15.95,3.168 v1(15.95,3.1) ; R6.1@25,32.95 v1(25.8,33) ; C8.1@27.45,29 27.981,29 28.5,29.519 28.5,30.5 28.568,30.5 v1(28.568,31.714) ; v1@39.81,26 v1(40,26) ; R19.1@47.25,25.7 47.27,25.7 48.32,26.75 v1(48.35,26.75) ; v1(50.049,11.401) Z1.2@50.2,10.725 ; v1(50.05,9.25) Z1.2@50.2,9.875 ; v1@50.55,23.25 U5.2@50.7,22.75 ; Z1.2@51.2,9.875 v1(51.35,9.25) ; Z1.2@51.2,10.725 v1(51.349,11.401) ; Z2.2@51.275,12.555 51.287,12.543 51.287,12.012 v1(51.3,12) ; Z2.5@51.275,13 51.287,13.012 51.287,13.533 v1(51.3,13.546) ; U6.2@51.5,24.25 v1@51.7,23.75 ; R11.2@51.6,16 v1(51.6,16.6) ; R18.1@52.25,14.95 52.752,15.452 52.952,15.452 v1(53,15.5) ; v1(52.567,23.261) Z3.2@52.975,23.75 ; Z3.2@52.975,24.75 v1(53.153,25.306) ; Z3.2@53.825,23.75 v1(54.217,23.278) ; Z3.2@53.825,24.75 v1(54.068,25.295) C10.2@54.35,26.65 R14.1@54.35,27.55 ; C10.2@54.35,26.55 C10.2@54.37,26.55 ; R14.1@54.37,27.55 54.719,27.898 54.944,27.898 v1(54.991,27.946)
  01_Top w0.25: v1(18.75,3.1) J3.8@18.75,3.8 18.75,4.4
  01_Top w0.3: v1(11.95,15.75) J6.33@12.925,15.75 v1(13.9,15.75) ; v1(11.95,17.25) J6.39@12.925,17.25 v1(13.9,17.25) ; v1(11.95,18.75) J6.45@12.925,18.75 v1(13.9,18.75) ; v1(11.95,23.25) J6.63@12.925,23.25 v1(13.9,23.25) ; v1(11.95,24.75) v1(13.9,24.75) ; v1(11.95,26.25) J6.75@12.925,26.25 v1(13.9,26.25) ; J6.1@12.925,7.75 v1(13.9,7.75) ; J6.7@12.925,9.25 v1(13.9,9.25) ; v1(19.6,12) J6.18@20.45,12 ; v1(32.25,3.1) J1.8@32.25,3.8 ; v1@39.81,26 J5.5@39.81,30.1
  01_Top w0.4: v1@8.441,8.247 C2.1@8.441,8.991 ; v1@9.023,11.491 U1.2@10.241,11.491 ; v1(9.551,8.262) C1.1@9.55,9
  other v1: 21.25,0.75 21.85,0.75 50.795,0.988 43,1 48,1 58,1.45 58.85,1.45 59.75,1.45 60.65,1.45 61.25,1.45 14.45,2.1 28.95,2.1 34.05,2.1 21.3,2.2 21.9,2.2 38.05,2.3 56.5,2.75 21.3,2.8 21.9,2.8 55,3.5 21.3,4 21.9,4 39.8,4.45 17.15,4.5 52.5,4.75 54,4.75 42.95,5 56.75,5 18.75,5.1 36.2,5.25 56,5.75 35.4,6.25 53.75,6.25 21.3,6.35 51.7,6.35 58,6.55 58.85,6.55 59.75,6.55 60.65,6.55 61.25,6.55 55.75,7 46.25,7.25 53.75,7.5 29,8 30,8 31,8 32,8 33,8 34,8 35,8 36,8 37,8 38,8 39,8 40,8 41,8 42,8 43,8 55.75,8.25 49.7,8.55 51.7,8.55 53.75,8.75 24.75,8.85 25.75,8.85 28,9 29,9 30,9 31,9 32,9 33,9 34,9 35,9 36,9 37,9 38,9 39,9 40,9 41,9 42,9 43,9 55.75,9.5 5.6,9.7 2,9.75 18.85,9.75 27,10 28,10 29,10 30,10 31,10 32,10 33,10 34,10 35,10 36,10 37,10 38,10 39,10 40,10 41,10 42,10 43,10 46.25,10 49.25,10 53.75,10 51.993,10.394 55.75,10.75 27,11 28,11 29,11 30,11 31,11 32,11 33,11 34,11 35,11 36,11 37,11 38,11 39,11 40,11 41,11 42,11 43,11 53.5,11 49.25,11.5 52.5,11.75 27,12 28,12 29,12 30,12 31,12 32,12 33,12 34,12 35,12 36,12 37,12 38,12 39,12 40,12 41,12 42,12 43,12 55.25,12 46.25,12.25 1.25,12.5 56,12.5 57.5,12.5 59,12.5 54.25,12.75 24.15,12.85 27,13 28,13 29,13 30,13 31,13 32,13 33,13 34,13 35,13 36,13 37,13 38,13 39,13 40,13 41,13 42,13 43,13 49.25,13 15.5,13.25 53.25,13.25 44.5,13.35 27,14 28,14 29,14 30,14 31,14 32,14 33,14 34,14 35,14 36,14 37,14 38,14 39,14 40,14 41,14 42,14 43,14 53,14 54.5,14 56,14 58,14.45 58.85,14.45 59.75,14.45 60.65,14.45 61.25,14.45 49.25,14.5 27,15 28,15 29,15 30,15 31,15 32,15 33,15 34,15 35,15 36,15 37,15 38,15 39,15 40,15 41,15 42,15 43,15 57,15 54.5,15.5 27,16 28,16 29,16 30,16 31,16 32,16 33,16 34,16 35,16 36,16 37,16 38,16 39,16 40,16 41,16 42,16 43,16 2.55,16.25 49.75,16.35 6.368,16.641 6.968,16.641 1.25,17 27,17 28,17 29,17 30,17 31,17 32,17 33,17 34,17 35,17 36,17 37,17 38,17 39,17 40,17 41,17 42,17 43,17 53,17 6.368,17.341 6.968,17.341 49.75,17.35 2.55,17.75 8.75,18 9.35,18 27,18 28,18 29,18 30,18 31,18 32,18 33,18 34,18 35,18 36,18 37,18 38,18 39,18 40,18 41,18 42,18 43,18 51.6,18.1 49.75,18.35 53,18.5 54.5,18.5 57.25,18.5 27,19 28,19 29,19 30,19 31,19 32,19 33,19 34,19 35,19 36,19 37,19 38,19 39,19 40,19 41,19 42,19 43,19 50.1,19.5 51.3,19.5 58,19.55 58.85,19.55 59.75,19.55 60.65,19.55 61.25,19.55 2.832,19.641 3.432,19.641 48.55,19.95 49.45,19.95 27,20 28,20 29,20 30,20 31,20 32,20 33,20 34,20 35,20 36,20 37,20 38,20 39,20 40,20 41,20 42,20 43,20 53,20 54.5,20 56,20 22,20.2 11.95,20.25 2.832,20.341 3.432,20.341 50.1,20.6 51.3,20.6 27,21 28,21 29,21 30,21 31,21 32,21 33,21 34,21 35,21 36,21 37,21 38,21 39,21 40,21 41,21 42,21 43,21 21.4,21.4 50.1,21.4 51.3,21.4 1.25,21.5 56,21.5 57.5,21.5 59,21.5 11.95,21.75 27,22 28,22 29,22 30,22 31,22 32,22 33,22 34,22 35,22 36,22 37,22 38,22 39,22 40,22 41,22 42,22 43,22 53,22 54.5,22 51.75,22.65 7.034,22.661 47.9,22.75 27,23 28,23 29,23 30,23 31,23 32,23 33,23 34,23 35,23 36,23 37,23 38,23 39,23 40,23 41,23 42,23 43,23 55,23 11.2,23.25 50.5,23.3 51.75,23.7 55.75,23.75 27,24 28,24 29,24 30,24 31,24 32,24 33,24 34,24 35,24 36,24 37,24 38,24 39,24 40,24 41,24 42,24 43,24 6.3,24.05 8.6,24.05 1.75,24.25 56.5,24.25 50.5,24.35 19.1,24.4 27,25 28,25 29,25 30,25 31,25 32,25 33,25 34,25 35,25 36,25 37,25 38,25 39,25 40,25 41,25 42,25 43,25 21.507,25.15 54.75,25.25 56.75,25.25 51,25.6 52,25.6 27,26 28,26 29,26 30,26 31,26 32,26 33,26 34,26 35,26 36,26 37,26 38,26 39,26 41,26 42,26 43,26 55.25,26 6.3,26.05 8.6,26.05 50.5,26.2 52.5,26.2 56.75,26.5 9.4,26.55 10.3,26.55 55.25,27 11.7,27.35 15.3,27.35 58,27.45 58.85,27.45 59.75,27.45 60.65,27.45 61.25,27.45 56.75,27.75 39.805,27.82 16.25,28.352 12.991,28.4 13.591,28.4 50.5,28.4 52.5,28.4 4.8,28.741 55.25,28.75 16.25,28.952 56.75,29 12.4,29.4 16.25,29.552 12.4,30 55.5,30 17.297,30.277 17.897,30.277 44.052,30.334 56.5,31 15.707,31.418 16.307,31.418 48.684,31.998 15.707,32.018 16.307,32.018 58,32.55 58.85,32.55 59.75,32.55 60.65,32.55 61.25,32.55 50.5,33
GPIO0: J1.3 J6.38 | length 20.2
  01_Top w0.15: J6.38@20.45,17 21.3,17 21.5,16.8 21.5,11.75 22.25,11 22.25,7.35 23.65,5.95 27.05,5.95 28.45,4.55 29.5,4.55 29.75,4.3 J1.3@29.75,3.8
GPIO1: J1.4 J6.40 | length 21
  01_Top w0.15: J6.40@20.45,17.5 21.507,17.5 21.9,17.107 21.9,11.916 22.65,11.166 22.65,7.516 23.816,6.35 27.216,6.35 28.616,4.95 29.65,4.95 30.25,4.35 J1.4@30.25,3.8
GPIO2: J1.6 J6.42 | length 22.4
  01_Top w0.15: J6.42@20.45,18 21.714,18 22.3,17.414 22.3,12.081 23.05,11.331 23.05,7.681 23.981,6.75 27.381,6.75 28.781,5.35 30.45,5.35 31.25,4.55 J1.6@31.25,3.8
GPIO3: J1.7 J6.44 | length 23.2
  01_Top w0.15: J6.44@20.45,18.5 21.921,18.5 22.7,17.721 22.7,12.247 23.45,11.497 23.45,7.847 24.147,7.15 27.547,7.15 28.947,5.75 30.65,5.75 31.75,4.65 J1.7@31.75,3.8
GPIO4: J1.9 J6.46 | length 24.3
  01_Top w0.15: J6.46@20.45,19 22.128,19 23.1,18.028 23.1,12.413 23.85,11.663 23.85,8.013 24.313,7.55 27.713,7.55 29.113,6.15 30.9,6.15 32.75,4.3 J1.9@32.75,3.8
GPIO5: J1.10 J6.48 R4.1 | length 59.2
  01_Top w0.15: J6.48@20.45,19.5 22.336,19.5 23.5,18.336 23.5,12.578 24.25,11.828 24.25,8.178 24.478,7.95 27.878,7.95 29.278,6.55 31.1,6.55 33.25,4.4 J1.10@33.25,3.8 v1(33.25,3.1) ; R4.1@51.95,20.6 v1(52.7,20.6)
  04_Bottom w0.15: v1(33.25,3.1) 35.95,5.8 43.5,5.8 44.8,7.1 44.8,12.75 45.8,13.75 50.3,13.75 52.25,15.7 52.25,20.15 v1(52.7,20.6)